# Allegro board hdk2_0-hmd-2-pvt-l8-0526p1530.brd
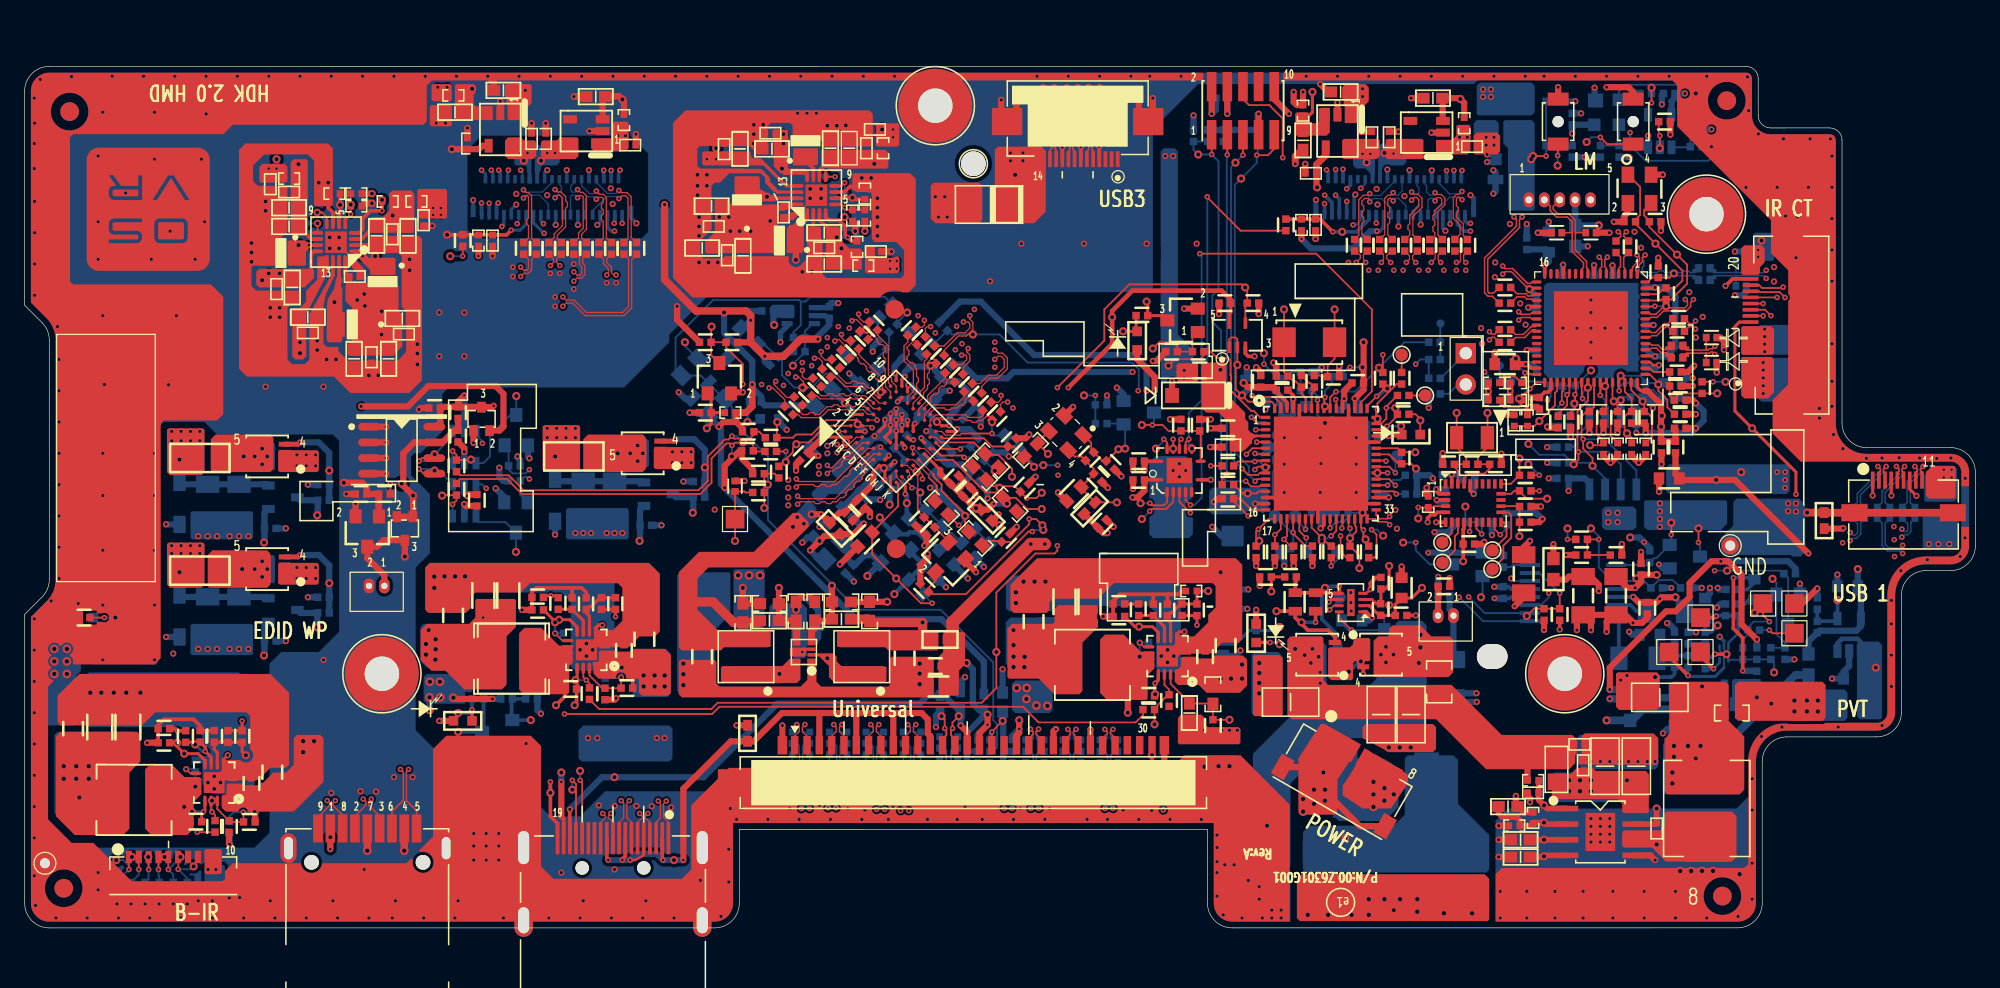
[diagram p0: board, top side]
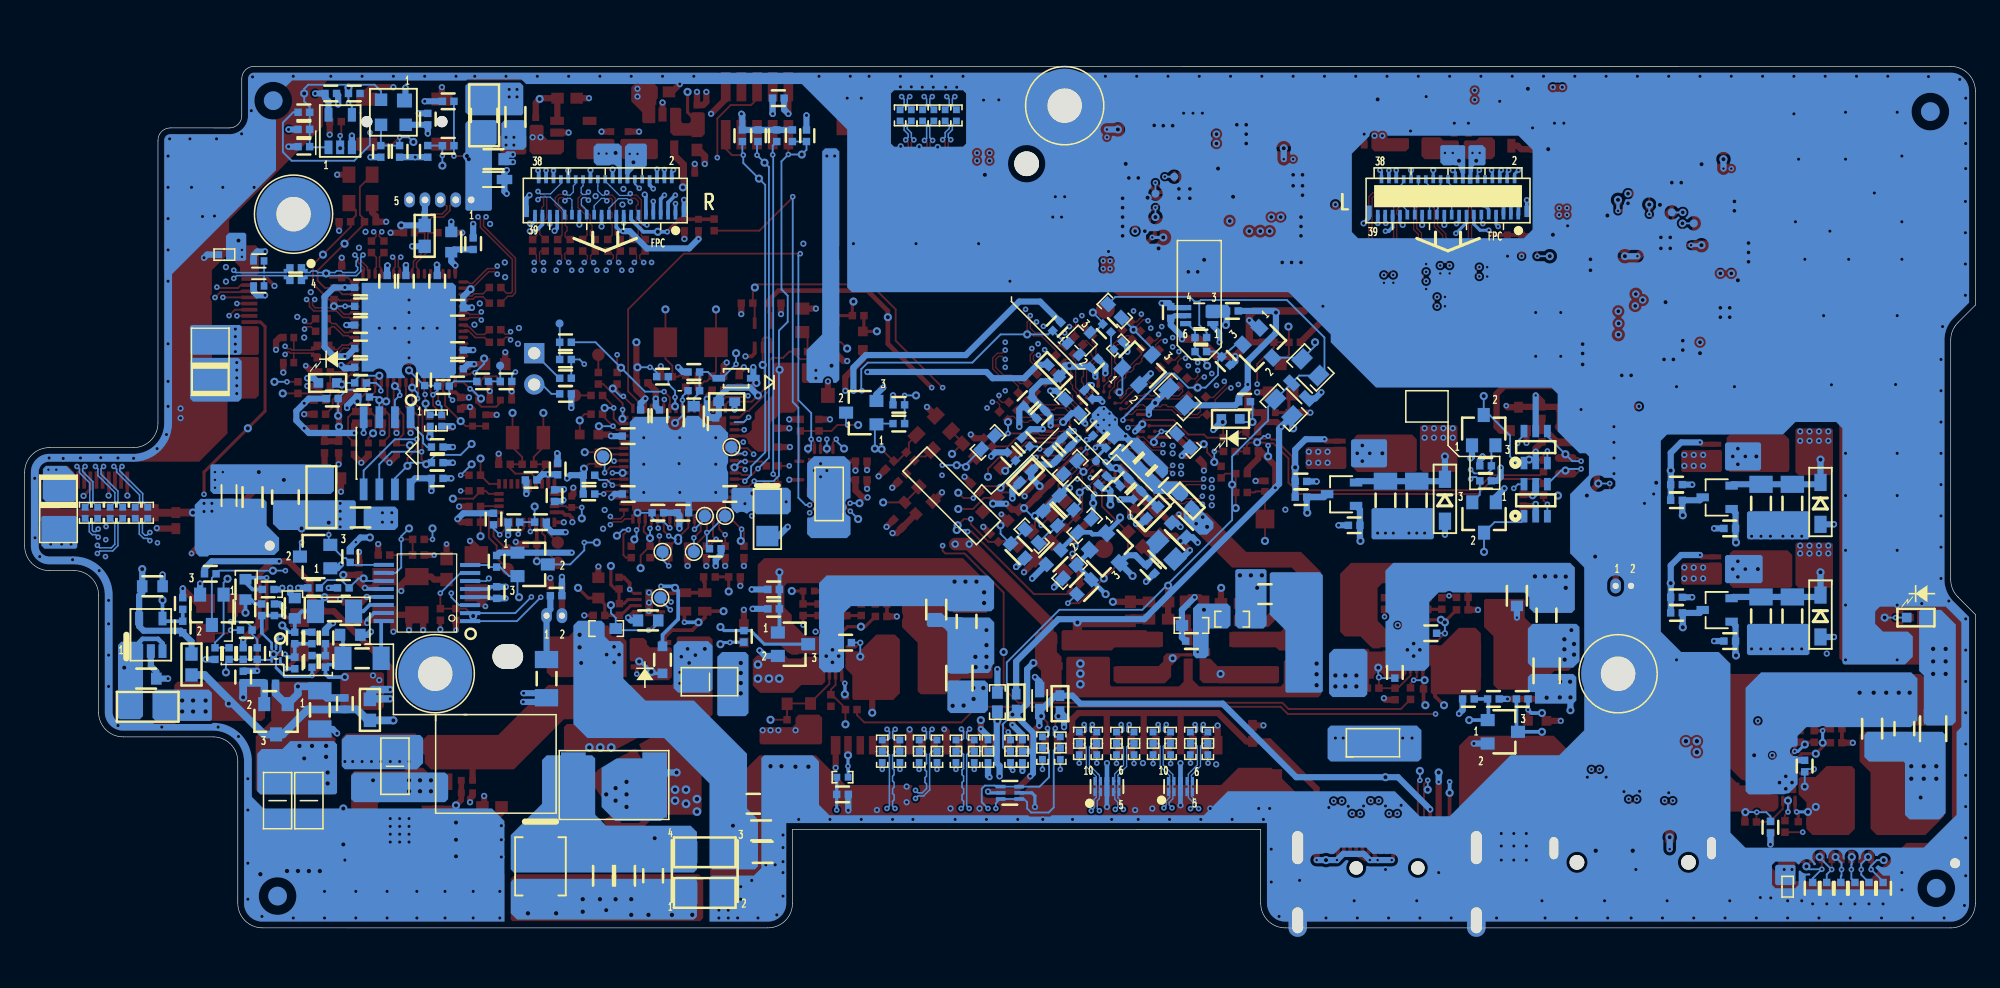
[diagram p1: board, bottom side, seen from below]

Outline 158.32 x 69.94 mm; copper layers: TOP, L2_GND, L3_IN1, L4_IN2, L5_VCC, L6_IN3, L7_GND, BOTTOM. Coordinates in mm from the lower left corner of the outline.
Outline path: 0,67.93 0,50.55 1.41,49.13 arc(1.85,48.49) 2,47.72 2,28.28 arc(1.85,27.51) 1.42,26.86 0,25.45 0,2 arc(0.59,0.59) 2,0 56,0 arc(57.42,0.59) 58,2 58,8 96,8 96,2 arc(96.59,0.59) 98,0 139.02,0 arc(140.44,0.59) 141.02,2.01 141.02,13.51 arc(141.61,14.92) 143.02,15.51 150.32,15.51 arc(151.73,16.09) 152.32,17.51 152.32,27.01 arc(152.91,28.42) 154.32,29.01 156.32,29.01 arc(157.73,29.59) 158.32,31.01 158.32,36.99 arc(157.73,38.4) 156.32,38.99 149.5,38.99 arc(148.09,39.57) 147.5,40.99 147.5,63.94 arc(147.21,64.65) 146.5,64.94 141.7,64.94 arc(140.99,65.23) 140.7,65.94 140.7,68.94 arc(140.4,69.64) 139.7,69.94 2,69.93 arc(0.59,69.35) 0,67.93

## Design rules (mm)
net group DIFFPAIR32: nets LCD2_DATAN3_R LCD2_DATAP3_R
net group DIFFPAIR33: nets LCD2_DATAN2_R LCD2_DATAP2_R
net group DIFFPAIR34: nets LCD2_CLKN_R LCD2_CLKP_R
net group DIFFPAIR35: nets LCD2_DATAN1_R LCD2_DATAP1_R
net group DIFFPAIR36: nets LCD2_DATAN0_R LCD2_DATAP0_R
net group DIFFPAIR37: nets LCD2_DATAN2_T_COM_R LCD2_DATAP2_T_COM_R
net group DIFFPAIR38: nets LCD1_DATAN2_L LCD1_DATAP2_L
net group DIFFPAIR39: nets LCD1_CLKN_L LCD1_CLKP_L
net group DIFFPAIR40: nets LCD1_DATAN1_L LCD1_DATAP1_L
net group DIFFPAIR41: nets LCD1_DATAN3_L LCD1_DATAP3_L
net group DIFFPAIR42: nets LCD1_CLKN_T_COM_L LCD1_CLKP_T_COM_L
net group DIFFPAIR43: nets LCD1_DATAN2_T_COM_L LCD1_DATAP2_T_COM_L
net group DIFFPAIR44: nets LCD1_DATAN1_T_COM_L LCD1_DATAP1_T_COM_L
net group DIFFPAIR45: nets LCD1_DATAN3_T_COM_L LCD1_DATAP3_T_COM_L
net group DP_LCD1_DATAN0_T_COM_L: nets LCD1_DATAN0_T_COM_L LCD1_DATAP0_T_COM_L
net group DP_MIPI_L_DSI0_0: nets MIPI_L_DSI0_0N MIPI_L_DSI0_0P
net group DP_MIPI_R_DSI1_0: nets MIPI_R_DSI1_0N MIPI_R_DSI1_0P
net group DP_MIPI_R_DSI1_1: nets MIPI_R_DSI1_1N MIPI_R_DSI1_1P
net group DP_MIPI_R_DSI1_3: nets MIPI_R_DSI1_3N MIPI_R_DSI1_3P
net group DP_MIPI_R_DSI1_C: nets MIPI_R_DSI1_CN MIPI_R_DSI1_CP
net group LCD1_CLKP_L_BYPASS: nets MIPI_L_DSI0_CN MIPI_L_DSI0_CP
net group LCD1_DATAN0_L_BYPASS: nets LCD1_DATAN0_L LCD1_DATAP0_L
net group LCD1_DATAN1_L_BYPASS: nets MIPI_L_DSI0_1N MIPI_L_DSI0_1P
net group LCD1_DATAP2_L_BYPASS: nets MIPI_L_DSI0_2N MIPI_L_DSI0_2P
net group LCD1_DATAP3_L_BYPASS: nets MIPI_L_DSI0_3N MIPI_L_DSI0_3P
net group LCD2_CLKP_R_BYPASS: nets LCD2_CLKN_T_COM_R LCD2_CLKP_T_COM_R
net group LCD2_DATAN0_R_BYPASS: nets LCD2_DATAN0_T_COM_R LCD2_DATAP0_T_COM_R
net group LCD2_DATAN1_R_BYPASS: nets LCD2_DATAN1_T_COM_R LCD2_DATAP1_T_COM_R
net group LCD2_DATAN2_R_BYPASS: nets MIPI_R_DSI1_2N MIPI_R_DSI1_2P
net group LCD2_DATAN3_R_BYPASS: nets LCD2_DATAN3_T_COM_R LCD2_DATAP3_T_COM_R
net group 1A: nets 2.8_V
net group CLK: nets MIC_RESEETN NRST NRST_R USB_HUB_RST
net group HDMI: nets TMDS1_CLK+_A TMDS1_CLK+_B TMDS1_CLK-_A TMDS1_CLK-_B TMDS1_DATA0+_A TMDS1_DATA0+_B TMDS1_DATA0-_A TMDS1_DATA0-_B TMDS1_DATA1+_A TMDS1_DATA1+_B TMDS1_DATA1-_A TMDS1_DATA1-_B TMDS1_DATA2+_A TMDS1_DATA2+_B TMDS1_DATA2-_A TMDS1_DATA2-_B
net group HDMI_A: nets HDMI_A_INT
net group USB: nets CPU_USB_DM CPU_USB_DP SSTXM_C_DN1_R SSTXM_C_DN3 SSTXM_C_DN3_R SSTXM_C_UP_A SSTXM_C_UP_B SSTXP_C_DN1_R SSTXP_C_DN3 SSTXP_C_DN3_R SSTXP_C_UP_A SSTXP_C_UP_B USB_DM_UP_A USB_DM_UP_B USB_DM_UP_R USB_DP_UP_A USB_DP_UP_B USB_DP_UP_R USB_HUB2_DM4_F USB_HUB2_DP4_F USB_SSRXM_DN1 USB_SSRXM_DN1_R USB_SSRXM_DN3 USB_SSRXM_DN3_R USB_SSRXM_UP USB_SSRXM_UP_A USB_SSRXM_UP_B USB_SSRXP_DN1 USB_SSRXP_DN1_R USB_SSRXP_DN3 USB_SSRXP_DN3_R USB_SSRXP_UP USB_SSRXP_UP_A USB_SSRXP_UP_B USB_SSTXM_DN1 USB_SSTXM_DN3 USB_SSTXM_UP USB_SSTXP_DN1 USB_SSTXP_DN3 USB_SSTXP_UP USBDN_DM1 USBDN_DM1_CON USBDN_DM1_CON_R USBDN_DM2 USBDN_DM3 USBDN_DM3_R USBDN_DP1 USBDN_DP1_CON USBDN_DP1_CON_R USBDN_DP2 USBDN_DP3 USBDN_DP3_R

## Placement (name value [footprint] x y rotation side)
C1  22uF/35V/X5R/1206  [CC1206-18]  107.31 4.23 270 bottom
C2  0.1uF  [CC0603_IPC7351]  111.38 4.23 270 bottom
C3  22uF/35V/X5R/1206  [CC1206-18]  99.18 10.08 180 bottom
C5  1uF/10V/X5R/0402  [CC0402_IPC7351]  16.58 8.24 90 top
C6  47uF 10V  [CC1206-18]  20.1 12.64 89.8 top
C9  100nF/25V/X5R/0402  [CC0402_IPC7351]  18.41 11.73 269.8 top
C10  100nF/25V/X5R/0402  [CC0402_IPC7351]  13.9 8.63 179.8 top
C18  100nF/25V/X5R/0402  [CC0402_IPC7351]  125.6 65.65 270 bottom
C19  390pF  [CC0402_IPC7351]  16.51 15.54 269.8 top
C20  1uF/10V/X5R/0402  [CC0402_IPC7351]  129.41 63.04 270 bottom
C23  56pF  [CC0402_IPC7351]  14.24 15.55 89.8 top
C25  2.7nF  [CC0402_IPC7351]  11.3 16.17 179.8 top
C26  NC/47uF 10V  [CC1206-18]  129.16 26.97 90 top
C28  0.1uF  [CC0603_IPC7351]  37.21 26.97 90 bottom
C29  47uF/6.3V/X5R/0805  [CC0805_IPC7351]  6.09 16.3 90 top
C31  18pF  [CC0402_IPC7351]  102.05 44.8 0 top
C32  18pF  [CC0402_IPC7351]  106.22 44.75 180 top
C33  NC/100nF  [CC0402_IPC7351]  131.19 29.13 270 top
C34  47uF 10V  [CC1206-18]  5.76 16.17 270 bottom
C36  47uF/6.3V/X5R/0805  [CC0805_IPC7351]  8.38 16.3 90 top
C38  47uF 10V  [CC1206-18]  34.77 25.37 270 top
C39  NC/100nF  [CC0402_IPC7351]  131.7 25.95 90 top
C41  47uF 10V  [CC1206-18]  3.93 16.17 270 top
C42  10uF/10V/CASEA  [CASE-A-3216]  98.04 33.19 270 bottom
C43  47uF 10V  [CC1206-18]  34.81 25.38 270 bottom
C45  NC/47uF 10V  [CC1206-18]  126.49 26.97 90 top
C48  NC/47uF 10V  [CC1206-18]  121.66 28.75 270 top
C49  47uF/6.3V/X5R/0805  [CC0805_IPC7351]  39.14 26.97 90 top
C51  47uF/6.3V/X5R/0805  [CC0805_IPC7351]  37.35 26.98 90 top
C52  10uF/10V/X5R/0603  [CC0603_IPC7351]  118.49 65.83 270 bottom
C54  100nF/25V/X5R/0402  [CC0402_IPC7351]  108.33 41.57 90 bottom
C57  4.7nF  [CC0402_IPC7351]  41.64 26.83 180 top
C60  100nF/25V/X5R/0402  [CC0402_IPC7351]  44.32 19.4 180 top
C61  33pF  [CC0402_IPC7351]  44.43 26.32 90 top
C67  390pF  [CC0402_IPC7351]  46.81 26.33 90 top
C72  1uF/10V/X5R/0402  [CC0402_IPC7351]  47.1 18.99 90 top
C76  100nF/25V/X5R/0402  [CC0402_IPC7351]  48.64 22.52 270 top
C81  47uF 10V  [CC1206-18]  50.3 23.43 90 top
C100  0.1uF  [CC0603_IPC7351]  84.34 25.84 90 bottom
C104  47uF 10V  [CC1206-18]  81.87 24.88 270 bottom
C108  47uF 10V  [CC1206-18]  81.89 24.86 270 top
C111  47uF/6.3V/X5R/0805  [CC0805_IPC7351]  84.51 26.48 90 top
C113  47uF/6.3V/X5R/0805  [CC0805_IPC7351]  86.31 26.46 90 top
C116  8.2nF  [CC0402_IPC7351]  88.81 26.3 180 top
C119  100nF/25V/X5R/0402  [CC0402_IPC7351]  91.23 18.84 180 top
C120  33pF  [CC0402_IPC7351]  91.6 25.82 90 top
C123  390pF  [CC0402_IPC7351]  93.93 25.82 90 top
C127  100nF/25V/X5R/0402  [CC0402_IPC7351]  95.81 22.01 270 top
C129  47uF 10V  [CC1206-18]  97.47 22.92 90 top
C136  470pF  [CC0603_IPC7351]  109.6 4.23 270 bottom
C144  10nF/50V/X7R/0402  [CC0402_IPC7351]  97.66 39.03 180 top
C145  0.1uF  [CC0603_IPC7351]  98.55 7.92 180 bottom
C153  NC/10nF  [CC0402_IPC7351]  135 23.54 270 bottom
C156  NC/100nF  [CC0402_IPC7351]  142.87 22.27 90 bottom
C157  15nF  [CC0402_IPC7351]  13.85 13.14 89.8 bottom
C159  100nF/25V/X5R/0402  [CC0402_IPC7351]  97.15 67.35 0 bottom
C161  NC/47uF 10V  [CC1206-18]  133.17 25.7 180 bottom
C164  NC/10nF  [CC0402_IPC7351]  133.91 23.54 270 bottom
C169  100nF/25V/X5R/0402  [CC0402_IPC7351]  133.47 67.73 0 bottom
C174  NC/47uF 10V  [CC1206-18]  130.93 21.89 180 bottom
C175  0.1uF  [CC0603_IPC7351]  8.38 16.17 89.8 bottom
C201  100nF/25V/X5R/0402  [CC0402_IPC7351]  106.8 41.57 90 bottom
C208  100nF/25V/X5R/0402  [CC0402_IPC7351]  102.23 40.94 90 bottom
C209  10nF/50V/X7R/0402  [CC0402_IPC7351]  100.33 44.37 270 top
C220  0.1uF  [CC0603_IPC7351]  104.01 41.52 270 bottom
C229  NC/100nF  [CC0402_IPC7351]  120.01 27.22 270 bottom
C231  100nF/25V/X5R/0402  [CC0402_IPC7351]  109.34 39.92 0 bottom
C244  10nF/50V/X7R/0402  [CC0402_IPC7351]  123.95 67.1 0 bottom
C255  10uF/10V/X5R/0603  [CC0603_IPC7351]  120.27 62.4 0 bottom
C285  100nF/25V/X5R/0402  [CC0402_IPC7351]  101.09 35.22 180 bottom
C298  15nF  [CC0402_IPC7351]  44.19 23.92 0 bottom
C303  100nF/25V/X5R/0402  [CC0402_IPC7351]  133.98 43.99 180 top
C306  100nF/25V/X5R/0402  [CC0402_IPC7351]  104.9 33.7 0 bottom
C545  15nF  [CC0402_IPC7351]  91.69 23.16 0 bottom
C575  100nF/25V/X5R/0402  [CC0402_IPC7351]  109.34 35.22 0 bottom
C576  NC/47uF 10V  [CC1206-18]  134.36 17.7 90 bottom
C577  NC/47uF 10V  [CC1206-18]  115.96 20.24 90 bottom
C578  NC/220pF  [CC0402_IPC7351]  115.19 26.97 180 bottom
C579  100nF/25V/X5R/0402  [CC0402_IPC7351]  115.31 35.1 90 bottom
C580  100nF/25V/X5R/0402  [CC0402_IPC7351]  115.06 37.25 270 bottom
C581  10nF/50V/X7R/0402  [CC0402_IPC7351]  117.22 36.37 0 bottom
C582  NC/18pF  [CC0402_IPC7351]  115.57 37.64 0 top
C583  NC/18pF  [CC0402_IPC7351]  119.38 37.64 180 top
C584  100nF/25V/X5R/0402  [CC0402_IPC7351]  117.22 31.16 0 top
C602  0.1uF  [CC0603_IPC7351]  107.72 24.96 0 bottom
C603  10nF/50V/X7R/0402  [CC0402_IPC7351]  100.71 28.49 0 top
C604  100nF/25V/X5R/0402  [CC0402_IPC7351]  134.24 49.45 0 top
C605  100nF/25V/X5R/0402  [CC0402_IPC7351]  134.24 48.43 0 top
C609  100nF/25V/X5R/0402  [CC0402_IPC7351]  120.14 50.72 0 top
C610  100nF/25V/X5R/0402  [CC0402_IPC7351]  120.14 51.99 0 top
C611  12pF/50V/NPO/0402  [CC0402_IPC7351]  130.27 57.32 180 top
C612  100nF/25V/X5R/0402  [CC0402_IPC7351]  129.16 55.29 270 top
C613  15pF/50V/NPO/0402  [CC0402_IPC7351]  132.33 57.32 0 top
C614  100nF/25V/X5R/0402  [CC0402_IPC7351]  130.17 55.29 270 top
C615  100nF/25V/X5R/0402  [CC0402_IPC7351]  124.84 36.49 0 bottom
C616  100nF/25V/X5R/0402  [CC0402_IPC7351]  131.06 48.94 0 bottom
C617  100nF/25V/X5R/0402  [CC0402_IPC7351]  123.19 45.38 180 bottom
C618  100nF/25V/X5R/0402  [CC0402_IPC7351]  128.9 52.49 90 bottom
C619  100nF/25V/X5R/0402  [CC0402_IPC7351]  131.06 45.51 0 bottom
C620  100nF/25V/X5R/0402  [CC0402_IPC7351]  123.19 46.91 180 bottom
C621  100nF/25V/X5R/0402  [CC0402_IPC7351]  123.19 50.34 180 bottom
C622  100nF/25V/X5R/0402  [CC0402_IPC7351]  127.38 52.49 90 bottom
C623  100nF/25V/X5R/0402  [CC0402_IPC7351]  124.84 52.49 90 bottom
C624  10uF/10V/X5R/0603  [CC0603_IPC7351]  120.14 45.76 180 top
C625  100nF/25V/X5R/0402  [CC0402_IPC7351]  121.92 55.54 270 bottom
C626  100nF/25V/X5R/0402  [CC0402_IPC7351]  131.06 51.99 0 bottom
C627  100nF/25V/X5R/0402  [CC0402_IPC7351]  122.93 42.59 90 top
C628  100nF/25V/X5R/0402  [CC0402_IPC7351]  131.06 47.03 0 bottom
C629  10uF/10V/X5R/0603  [CC0603_IPC7351]  123.69 55.67 90 bottom
C632  0.1uF  [CC0603_IPC7351]  111.76 27.6 90 top
C633  100nF/25V/X5R/0402  [CC0402_IPC7351]  118.61 32.94 0 bottom
C638  1uF/10V/X5R/0603  [CC0603_IPC7351]  133.47 36.49 0 top
C639  NC/0.1uF  [CC0603_IPC7351]  140.39 27.48 270 bottom
C641  NC/10uF  [CC0603_IPC7351]  148.46 20.24 180 bottom
C642  NC/10uF  [CC0603_IPC7351]  147.95 27.73 180 bottom
C643  10uF/10V/X5R/0603  [CC0603_IPC7351]  131.06 33.32 180 bottom
C644  10uF/10V/X5R/0603  [CC0603_IPC7351]  139.82 34.97 90 bottom
C645  2200pF/50V_X7R  [C0402]  126.49 13.2 90 top
C646  2200pF/50V_X7R  [C0402]  126.18 14.9 0 top
C647  10uf/25v  [C1206]  130.81 13.12 90 top
C648  10uf/25v  [C1206]  128.27 13.12 90 top
C649  10uf/25v  [C1206]  128.27 13.12 90 bottom
C650  22PF/50V  [C0603]  120.39 9.85 180 top
C651  NC/0.1uf/16v_NC  [C0402]  122.42 10.97 180 top
C652  100nF/25V/X5R/0402  [C0402]  132.46 8.07 270 top
C653  1uF/25V  [C0603]  121.41 7.16 180 top
C654  22UF/10V  [C1206]  135.25 10.33 270 bottom
C655  22UF/10V  [C1206]  137.79 10.33 270 bottom
C656  3300PF/25V  [C0603]  121.41 5.76 180 top
C657  10uf/25v  [C1206]  102.74 18.33 180 top
C658  10uf/25v  [C1206]  110.11 17.32 270 top
C659  10uf/25v  [C1206]  102.74 19.98 180 bottom
C660  10uf/25v  [C1206]  112.52 17.32 270 top
C700  6TPE220MAZB  [TANB]  143.25 46.14 90 bottom
C701  1uF/6.3V/X5R/0402  [C0402]  37.97 55.8 90 top
C702  100pF 50V  [C0402]  20.44 51.86 270 top
C703  0.1uf/16v  [C0402]  26.79 52.88 0 top
C704  10uF X5R 10 0603  [C0603]  21.71 51.99 270 top
C705  100pF 50V  [C0402]  30.78 48.2 0 top
C706  10uF X5R 10 0603  [C0603]  30.65 49.47 0 top
C707  10uF X5R 10 0603  [C0603]  28.57 56.18 270 top
C708  100pF 50V  [C0402]  29.84 56.3 270 top
C709  10uF X5R 10 0603  [C0603]  31.11 56.18 270 top
C710  100pF 50V  [C0402]  32.38 57.45 270 top
C711  10uF X5R 10 0603  [C0603]  29.54 46.2 270 top
C712  10uF X5R 10 0603  [C0603]  26.74 46.2 270 top
C713  100pF 50V  [C0402]  28.14 46.32 270 top
C714  10uF X5R 10 0603  [C0603]  21.46 56.94 180 top
C715  10uF X5R 10 0603  [C0603]  21.46 58.46 180 top
C716  100pF 50V  [C0402]  21.46 59.73 180 top
C717  100pF 50V  [C0402]  19.94 60.37 270 top
C718  10uF X5R 10 0603  [C0603]  22.98 49.57 0 top
C719  100pF 50V  [C0402]  22.98 48.3 0 top
C720  1uF/6.3V/X5R/0402  [C0402]  49.15 63.54 180 top
C721  1uF/6.3V/X5R/0402  [C0402]  42.29 64.05 270 top
C722  1uF/10V/X5R/0603  [C0603]  46.35 67.48 0 top
C723  1uF/10V/X5R/0603  [C0603]  38.86 67.99 0 top
C724  4.7uF 6.3V  [C0402]  41.14 64.05 90 top
C725  NC/0.01uF_X7R_16V  [C0402]  35.94 63.67 270 top
C726  22UF/10V  [C1206]  132.71 18.71 180 top
C727  6TPE220MAZB  [TANB]  155.57 33.83 270 bottom
C728  6TPE220MAZB  [TANB]  78.08 58.72 180 top
C729  1uF/6.3V/X5R/0402  [C0402]  15.24 3.35 90 bottom
C731  1uF/6.3V/X5R/0402  [C0402]  142.11 54.65 180 bottom
C732  100nF/25V/X5R/0402  [CC0402_IPC7351]  90.42 37.89 180 top
C733  100nF/25V/X5R/0402  [CC0402_IPC7351]  90.42 36.37 0 top
C735  100nF/25V/X5R/0402  [CC0402_IPC7351]  69.06 36.16 135 bottom
C736  10nF/50V/X7R/0402  [CC0402_IPC7351]  68.02 35.12 135 bottom
C737  10nF/50V/X7R/0402  [CC0402_IPC7351]  75.46 36.39 225 top
C738  10nF/50V/X7R/0402  [CC0402_IPC7351]  72.01 43.27 45 bottom
C739  100nF/25V/X5R/0402  [CC0402_IPC7351]  76.48 35.38 225 top
C740  100nF/25V/X5R/0402  [CC0402_IPC7351]  66.34 36.62 315 bottom
C741  10nF/50V/X7R/0402  [CC0402_IPC7351]  67.38 37.64 315 bottom
C742  10nF/50V/X7R/0402  [CC0402_IPC7351]  68.4 38.68 315 bottom
C743  10nF/50V/X7R/0402  [CC0402_IPC7351]  73.78 39.41 225 bottom
C744  100nF/25V/X5R/0402  [CC0402_IPC7351]  74.93 38.27 225 bottom
C745  100nF/25V/X5R/0402  [CC0402_IPC7351]  66.85 33.37 135 top
C746  10nF/50V/X7R/0402  [CC0402_IPC7351]  67.89 34.41 135 top
C747  10nF/50V/X7R/0402  [CC0402_IPC7351]  63.24 38.27 45 top
C748  10nF/50V/X7R/0402  [CC0402_IPC7351]  71.55 45.89 315 bottom
C749  10nF/50V/X7R/0402  [CC0402_IPC7351]  75.82 41.65 135 bottom
C750  100nF/25V/X5R/0402  [CC0402_IPC7351]  76.91 42.74 135 bottom
C751  100nF/25V/X5R/0402  [CC0402_IPC7351]  70.86 36.37 315 bottom
C752  NC/100nF/25V/X5R/0402  [CC0402_IPC7351]  66.93 29.13 45 bottom
C753  NC/2.2uF/16V/X5R/0603  [CC0603_IPC7351]  64.64 32.3 45 bottom
C754  NC/1000pF/50V/0603  [CC0603_IPC7351]  74.82 30.09 315 bottom
C755  100nF/25V/X5R/0402  [CC0402_IPC7351]  87.09 36.54 135 top
C756  NC/1000pF/50V/0603  [CC0603_IPC7351]  72.34 27.68 315 bottom
C757  100nF/25V/X5R/0402  [CC0402_IPC7351]  87.45 32.81 225 top
C758  10uF/10V/X5R/0603  [CC0603_IPC7351]  85.16 35.22 45 top
C759  NC/12pF  [CC0402_IPC7351]  80.13 39.41 45 top
C760  1uF/10V/X5R/0402  [CC0402_IPC7351]  77.09 39.41 45 bottom
C761  0.1uF  [CC0603_IPC7351]  68.2 31.54 225 top
C762  0.1uF  [CC0603_IPC7351]  75.08 33.24 45 bottom
C763  NC/1000pF/50V/0603  [CC0603_IPC7351]  73.76 34.54 45 bottom
C764  NC/0.1uF  [CC0603_IPC7351]  77.72 30.6 225 bottom
C805  1uF/10V/X5R/0603  [C0603]  106.8 67.86 0 top
C806  NC/0.01uF_X7R_16V  [C0402]  104.39 61.26 0 top
C807  1uF/6.3V/X5R/0402  [C0402]  104.77 57.07 90 top
C808  1uF/6.3V/X5R/0402  [C0402]  117.47 63.42 180 top
C809  1uF/6.3V/X5R/0402  [C0402]  110.74 64.18 270 top
C810  4.7uF 6.3V  [C0402]  109.34 64.18 90 top
C811  NC/1uF/10V/X5R/0603  [C0603]  114.3 67.35 0 top
C812  100pF 50V  [C0402]  61.59 58.08 270 top
C813  0.1uf/16v  [C0402]  60.52 64.51 180 top
C814  10uF X5R 10 0603  [C0603]  60.65 63.24 180 top
C815  100pF 50V  [C0402]  57.02 54.6 270 top
C816  10uF X5R 10 0603  [C0603]  58.29 54.55 270 top
C817  10uF X5R 10 0603  [C0603]  64.89 56.43 180 top
C818  100pF 50V  [C0402]  64.89 55.21 180 top
C819  10uF X5R 10 0603  [C0603]  64.89 53.89 180 top
C820  100pF 50V  [C0402]  69.08 54.91 0 top
C821  10uF X5R 10 0603  [C0603]  55.75 58.59 180 top
C822  10uF X5R 10 0603  [C0603]  54.99 55.19 180 top
C823  100pF 50V  [C0402]  55.93 56.94 180 top
C824  10uF X5R 10 0603  [C0603]  66.93 63.29 90 top
C825  10uF X5R 10 0603  [C0603]  65.4 63.29 90 top
C826  100pF 50V  [C0402]  68.32 63.29 90 top
C827  100pF 50V  [C0402]  69.01 64.81 180 top
C828  10uF X5R 10 0603  [C0603]  58.06 63.24 90 top
C829  100pF 50V  [C0402]  56.77 63.21 90 top
C830  22PF/50V  [C0603]  66.29 25.06 180 top
C831  NC/10uF/10V/X5R/0603  [CC0603_IPC7351]  74.16 19.6 180 top
C832  NC/100nF/25V/X5R/0402  [CC0402_IPC7351]  73.91 21.25 0 top
C833  47uF 10V  [CC1206-18]  71.42 21.89 90 top
C834  47uF 10V  [CC1206-18]  57.65 27.09 0 bottom
C835  47uF 10V  [CC1206-18]  54.99 22.01 90 top
C836  22PF/50V  [C0603]  60.45 24.94 0 top
C837  100nF/25V/X5R/0402  [CC0402_IPC7351]  63.62 23.28 180 bottom
C838  1uF/10V/X5R/0603  [C0603]  94.54 17.44 90 top
C1000  NC/22pF  [CC0402_IPC7351]  91.94 10.84 180 bottom
C1001  NC/22pF  [CC0402_IPC7351]  81.15 35.73 45 top
C1002  NC/22pF  [CC0402_IPC7351]  79.63 31.67 45 top
C1003  NC/10pF  [CC0402_IPC7351]  7.49 3.22 90 bottom
C1004  NC/10pF  [CC0402_IPC7351]  8.63 3.22 90 bottom
C1005  NC/10pF  [CC0402_IPC7351]  9.78 3.22 90 bottom
C1006  NC/10pF  [CC0402_IPC7351]  10.92 3.22 90 bottom
C1007  NC/10pF  [CC0402_IPC7351]  12.06 3.22 90 bottom
C1008  NC/10pF  [CC0402_IPC7351]  13.2 3.22 90 bottom
C1009  NC/100nF/25V/X5R/0402  [CC0402_IPC7351]  33.27 42.21 0 top
C1010  NC/100nF/25V/X5R/0402  [CC0402_IPC7351]  36.7 34.71 90 top
C1011  47uF 10V  [CC1206-18]  47.88 34.71 90 bottom
C1012  47uF 10V  [CC1206-18]  45.34 34.71 90 bottom
C1013  47uF 10V  [CC1206-18]  14.86 25.32 90 bottom
C1014  47uF 10V  [CC1206-18]  17.4 25.32 90 bottom
C1015  47uF 10V  [CC1206-18]  14.86 34.46 90 bottom
C1016  47uF 10V  [CC1206-18]  17.4 34.46 90 bottom
C1111  NC/100nF/25V/X5R/0402  [CC0402_IPC7351]  97.41 50.72 0 top
C1112  NC/10nF/50V/X7R/0402  [CC0402_IPC7351]  55.24 47.54 0 top
C1113  NC/1uF/10V/X5R/0603  [C0603]  34.92 66.21 0 top
C1114  NC/1uF/10V/X5R/0603  [C0603]  103.76 63.92 90 top
D1  SMBJ13CA  [D-SMB]  116.46 5 270 bottom
D6  MMSZ5227BT1G  [SOD-123]  94.87 43.22 0 top
D7  1N4148WS  [SOD-323F]  100.58 44.62 180 bottom
D9  MM3Z15VC  [SOD323F]  106.55 21.76 90 bottom
D11  NC/BAT54CW-7F/SOT323  [SOT323-132]  37.08 41.32 0 top
D12  NC/BAT54CW-7F/SOT323  [SOT323-132]  30.86 32.43 180 top
D13  1N5819HW/SOD123  [SOD123]  43.05 34.71 90 bottom
D14  1N5819HW/SOD123  [SOD123]  12.57 25.32 90 bottom
D15  1N5819HW/SOD123  [SOD123]  12.57 34.46 90 bottom
D16  NC/BAT54CW-7F/SOT323  [SOT323-132]  72.51 47.67 225 bottom
ESD5  PGB1010603MR  [SUP_PGB1010603MR]  75.94 18.46 180 bottom
ESD8  PGB1010603MR  [SUP_PGB1010603MR]  120.27 60.75 270 bottom
ESD13  DIODE DIAC  [DIO_RCLAMP0521P]  136.9 45.89 180 top
ESD14  DIODE DIAC  [DIO_RCLAMP0521P]  136.9 47.92 180 top
ESD16  NC/DIODE DIAC  [DIO_RCLAMP0521P]  124.33 56.43 180 top
ESD17  NC/DIODE DIAC  [DIO_RCLAMP0521P]  127.12 56.43 0 top
ESD18  PGB1010603MR  [SUP_PGB1010603MR]  141.73 35.1 0 bottom
ESD19  NC/DIODE DIAC  [DIO_RCLAMP0521P]  139.32 52.11 0 bottom
ESD20  NC/DIODE DIAC  [DIO_RCLAMP0521P]  139.32 54.15 0 bottom
ESD21  DIODE DIAC  [DIO_RCLAMP0521P]  57.65 35.86 90 top
ESD22  PGB1010603MR  [SUP_PGB1010603MR]  54.86 43.6 315 bottom
FB1  FERRITE BEAD  [FB1206]  103.12 6.14 180 bottom
FB2  FERRITE BEAD  [FB1206]  103.12 2.84 180 bottom
FB4  PBY160808T-101Y/2.5A/0603  [FB0402]  77.85 18.33 90 bottom
FB6  HCB2012K_800T80_0805  [INDC0805]  34.79 20.87 90 bottom
FB7  HCB2012K_800T80_0805  [INDC0805]  3.43 16.17 270 bottom
FB8  PBY160808T-101Y/2.5A/0603  [FB0402]  101.34 42.72 0 bottom
FB9  NC/100R  [FB0603]  124.08 29.13 270 top
FB11  PBY160808T-101Y/2.5A/0603  [FB0603]  125.85 56.18 90 bottom
FB16  HCB2012K_800T80_0805  [INDC0805]  82.46 20.28 90 bottom
FB23  PBY160808T-101Y/2.5A/0603  [FB0402]  74.29 18.2 270 bottom
FB24  PBY160808T-101Y/2.5A/0603  [FB0402]  58.67 15.79 90 top
FB56  FERRITE BEAD  [FB1206]  121.03 65.96 270 bottom
FB58  NC/100R  [FB0603]  130.3 17.7 270 bottom
FB59  NC/FERRITE BEAD  [FB1206]  148.33 17.95 0 bottom
FB60  NC/100R  [FB0603]  144.78 21.38 270 bottom
FB61  FERRITE BEAD  [FB1206]  134.24 34.97 90 bottom
FB62  PBY160808T-101Y/2.5A/0603  [FB0402]  146.05 33.06 270 top
FB63  PBY160808T-101Y/2.5A/0603  [FB0402]  66.8 33.7 315 bottom
FB64  0/1%/0402  [FB0402]  78.05 33.5 135 top
FB65  0/1%/0402  [FB0402]  64.03 34.66 225 bottom
FB66  PBY160808T-101Y/2.5A/0603  [FB0402]  77.09 36.62 135 bottom
FB67  PBY160808T-101Y/2.5A/0603  [FB0402]  65.78 32.43 315 top
FB68  0/1%/0402  [FB0402]  74.8 45.26 225 bottom
FB69  NC/HCB2012K_800T80_0805  [INDC0805]  65.66 30.65 45 bottom
FB70  PBY160808T-101Y/2.5A/0603  [FB0402]  86.43 34.08 225 top
FB79  NC/PBY160808T-101Y/2.5A/0603  [FB0402]  74.29 23.41 180 top
FID1  FID  [FIDUSHEL]  3.65 66.26 0 top
FID2  FID  [FIDUSHEL]  138.15 67.15 180 bottom
FID3  FID  [FIDUSHEL]  3.17 3.22 0 top
FID4  FID  [FIDUSHEL#2]  106.3 73.32 0 top
FID5  FID  [FIDUSHEL]  137.79 2.58 0 top
FID6  FID  [FIDUSHEL#2]  121.54 73.32 0 top
FID7  FID  [FIDUSHEL]  137.79 2.58 180 bottom